# KiCad board System-Controller.kicad_pcb (continued)
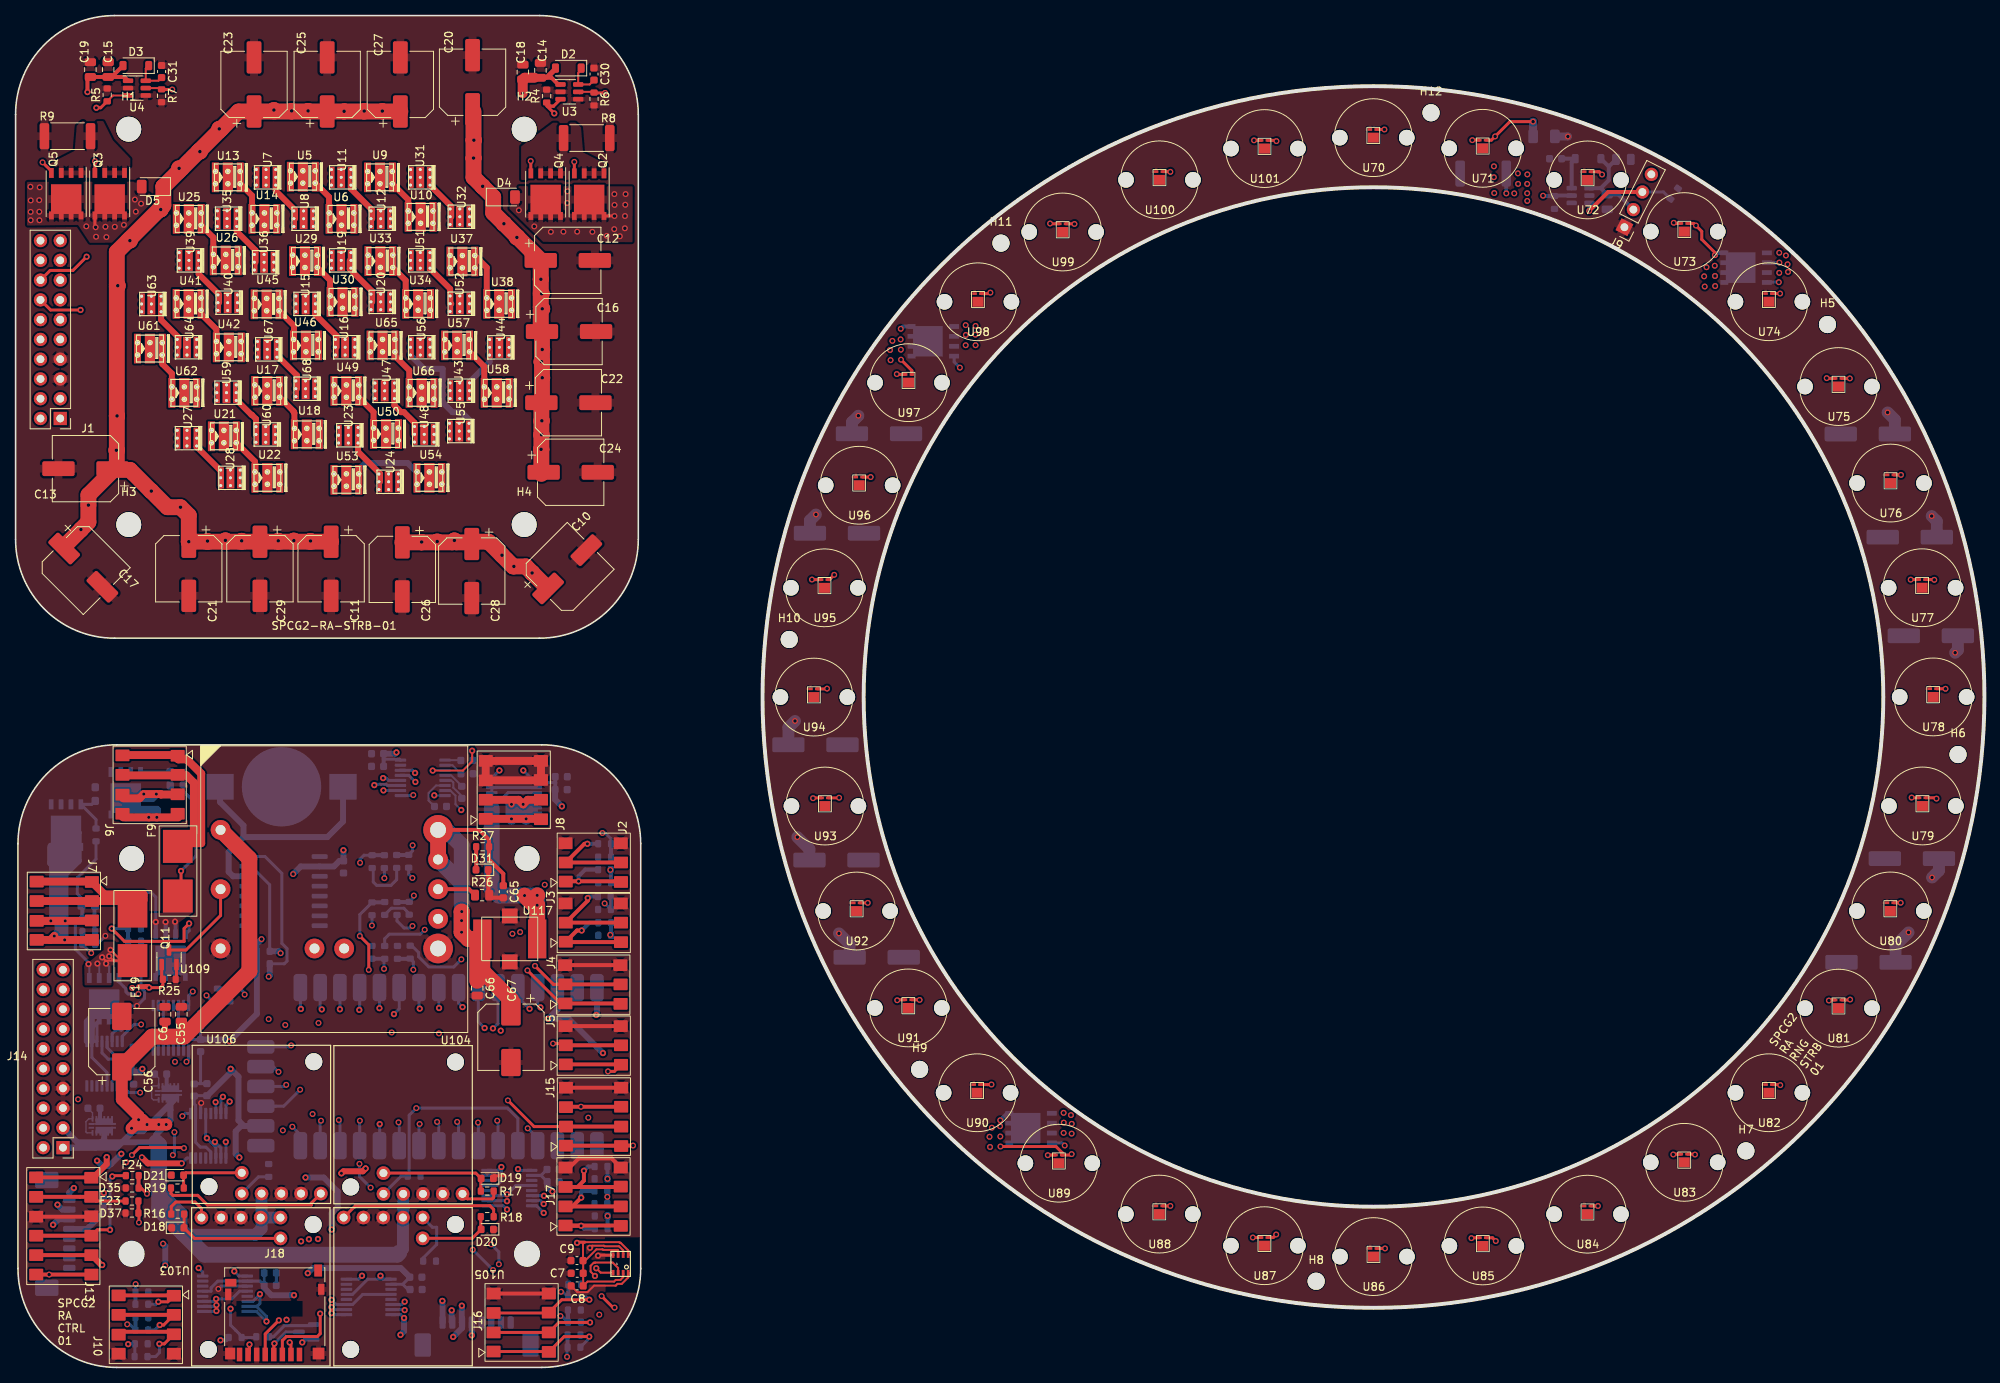
[diagram p0: board, top side]
## Copper pours and planes (outline as drawn; the poured copper is in the pictures) (continued)
Net-(Q3-S-Pad1) on Top: 11.27,160.14 8.58,160.15 7.86,159.55 7.59,156.32 4.11,154.54 4.05,152.8 14.73,152.9 14.75,155.32 12.51,157.66
Net-(Q6-S-Pad1) on Bottom: 121.48,134.52 123.17,134.5 124.16,133.8 124.19,130.65 119.68,130.65 119.61,134.5
Net-(Q6-S-Pad1) on Bottom: 190.65,155.3 192.34,155.28 195.43,153.19 195.4,148.98 188.85,150.67 188.78,155.28
Net-(Q6-S-Pad1) on Bottom: 134.06,33.31 135.65,33 136.16,32.48 136.18,29.57 132.22,29.57 132.19,33.29
Net-(Q6-S-Pad1) on Bottom: 226.02,143.84 227.12,143.74 228.22,142.78 228.25,140.16 224.15,140.13 224.15,143.82
Net-(Q6-S-Pad1) on In3.Cu: 90.99,168.43 251.81,168.78 252.27,3.48 91.1,8.87

## Text on the board
F.Silkscreen: SPCG2 / RA / CTRL / 01 | SPCG2-RA-STRB-01 | SPCG2 / RA / RNG / STRB / 01
